# Altium PCB smallLCboard.PcbDoc (part 2 of 4)
Units mil, origin at the board's own origin, x right, y up, seen from the top; angles counter-clockwise.
Board outline 3761.03 x 3206.38 mil, 2 copper layers (Top Layer, Bottom Layer); 200 components, 0 nets, 2312 pads, 320 vias.
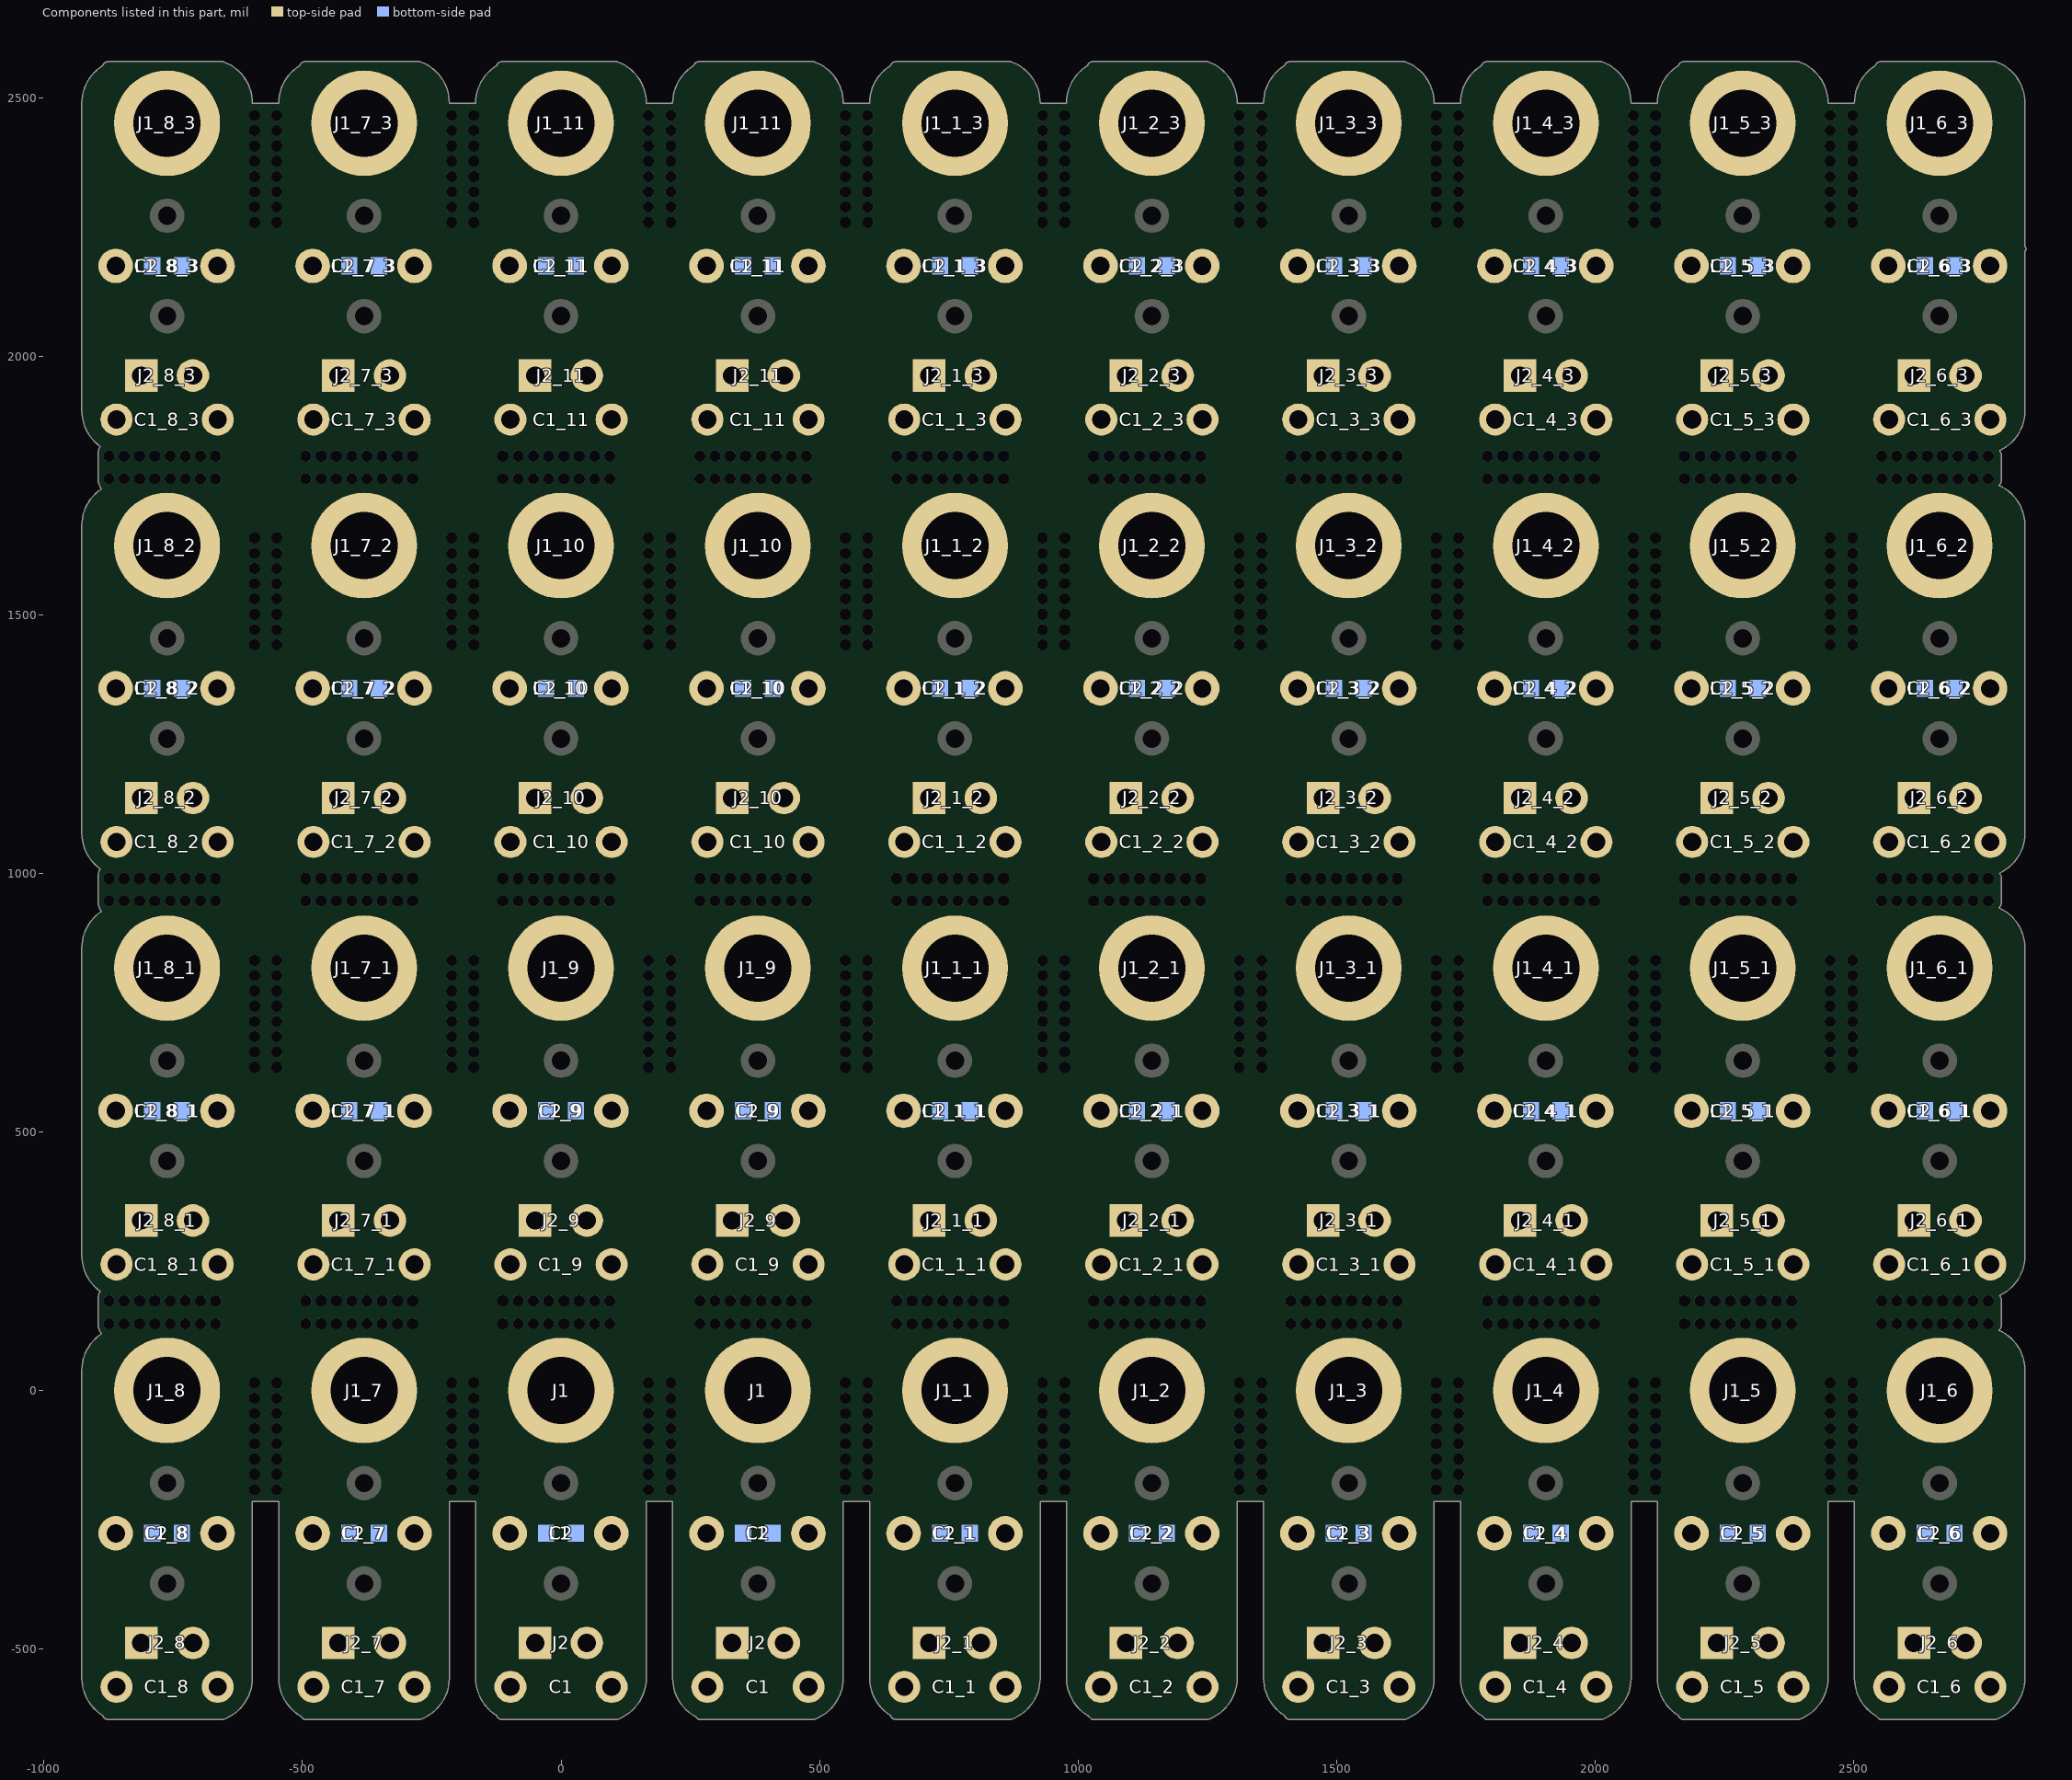
[diagram p2: the components of this part, seen from the top]

## Components (designator, comment, footprint, x,y, rotation, side; value= is the part's Value field where it differs from the comment) (continued)
L1_5_2 "10mH" Inductor_8x10 2285,1358 r0 top (schematic designator L1)
L1_5_3 "10mH" Inductor_8x10 2285,2175 r0 top (schematic designator L1)
L1_6 "10mH" Inductor_8x10 2666,-276 r0 top (schematic designator L1)
L1_6_1 "10mH" Inductor_8x10 2666,541 r0 top (schematic designator L1)
L1_6_2 "10mH" Inductor_8x10 2666,1358 r0 top (schematic designator L1)
L1_6_3 "10mH" Inductor_8x10 2666,2175 r0 top (schematic designator L1)
L1_7 "10mH" Inductor_8x10 -382,-276 r0 top (schematic designator L1)
L1_7_1 "10mH" Inductor_8x10 -382,541 r0 top (schematic designator L1)
L1_7_2 "10mH" Inductor_8x10 -382,1358 r0 top (schematic designator L1)
L1_7_3 "10mH" Inductor_8x10 -382,2175 r0 top (schematic designator L1)
L1_8 "10mH" Inductor_8x10 -763,-276 r0 top (schematic designator L1)
L1_8_1 "10mH" Inductor_8x10 -763,541 r0 top (schematic designator L1)
L1_8_2 "10mH" Inductor_8x10 -763,1358 r0 top (schematic designator L1)
L1_8_3 "10mH" Inductor_8x10 -763,2175 r0 top (schematic designator L1)
L1_9 "10mH" Inductor_8x10 -1,541 r0 top (schematic designator L1)
L1_9 "10mH" Inductor_8x10 380,541 r0 top (schematic designator L1)
L1_10 "10mH" Inductor_8x10 -1,1358 r0 top (schematic designator L1)
L1_10 "10mH" Inductor_8x10 380,1358 r0 top (schematic designator L1)
L1_11 "10mH" Inductor_8x10 -1,2175 r0 top (schematic designator L1)
L1_11 "10mH" Inductor_8x10 380,2175 r0 top (schematic designator L1)

## Footprints (in the part's own frame and the unit in brackets; to place one, negate y for a bottom-side part, rotate by r counter-clockwise, add the part's x,y. Pads: shape width x height; smd on the part's side, far side on the other; paste and mask are expansions set on the pad)
CAP3 [mil]
  round 62 hole 35: 1(-97.92,0) 2(97.92,0)
  silkscreen extent -138,-59 138,59, body extent -142,-50 142,48, height 59
CAP_0603 [mm]
  rect 0.8x0.85 smd: 1(-0.73,0) 2(0.73,0)
  silkscreen extent -1.36,-0.8 1.34,0.8, body extent -0.8,-0.4 0.8,0.4, height 0.6
"Header H 2.54X2" [mm]
  rect 1.6x1.6 hole 0.9: 1(-1.27,0)
  round 1.6 hole 0.9: 2(1.27,0)
  silkscreen extent -2.41,-1.14 2.4,1.14, body extent -2.54,-1.27 2.54,7, height 4.43
Inductor_8x10 [mm]
  round 1.7 hole 0.9: 1(-2.5,0) 2(2.5,0)
  silkscreen extent -4,-4 4,4, body extent -4.15,-4.15 4.15,4.15, height 11.2
M_KONG_springChange [mm]
  round 5.2 hole 3.3: 1(-0.051,0)

## Part data
C1 C1 C1_1 C1_1_1 C1_1_2 C1_1_3 C1_2 C1_2_1 C1_2_2 C1_2_3 C1_3 C1_3_1 C1_3_2 C1_3_3 C1_4 C1_4_1 C1_4_2 C1_4_3 C1_5 C1_5_1 C1_5_2 C1_5_3 C1_6 C1_6_1 C1_6_2 C1_6_3 C1_7 C1_7_1 C1_7_2 C1_7_3 C1_8 C1_8_1 C1_8_2 C1_8_3 C1_9 C1_9 C1_10 C1_10 C1_11 C1_11: library part CAP_聚苯电容
C2 C2 C2_1 C2_1_1 C2_1_2 C2_1_3 C2_2 C2_2_1 C2_2_2 C2_2_3 C2_3 C2_3_1 C2_3_2 C2_3_3 C2_4 C2_4_1 C2_4_2 C2_4_3 C2_5 C2_5_1 C2_5_2 C2_5_3 C2_6 C2_6_1 C2_6_2 C2_6_3 C2_7 C2_7_1 C2_7_2 C2_7_3 C2_8 C2_8_1 C2_8_2 C2_8_3 C2_9 C2_9 C2_10 C2_10 C2_11 C2_11: library part CAP_0603
J2 J2 J2_1 J2_1_1 J2_1_2 J2_1_3 J2_2 J2_2_1 J2_2_2 J2_2_3 J2_3 J2_3_1 J2_3_2 J2_3_3 J2_4 J2_4_1 J2_4_2 J2_4_3 J2_5 J2_5_1 J2_5_2 J2_5_3 J2_6 J2_6_1 J2_6_2 J2_6_3 J2_7 J2_7_1 J2_7_2 J2_7_3 J2_8 J2_8_1 J2_8_2 J2_8_3 J2_9 J2_9 J2_10 J2_10 J2_11 J2_11: library part "Header 2.54_2"
L1 L1 L1_1 L1_1_1 L1_1_2 L1_1_3 L1_2 L1_2_1 L1_2_2 L1_2_3 L1_3 L1_3_1 L1_3_2 L1_3_3 L1_4 L1_4_1 L1_4_2 L1_4_3 L1_5 L1_5_1 L1_5_2 L1_5_3 L1_6 L1_6_1 L1_6_2 L1_6_3 L1_7 L1_7_1 L1_7_2 L1_7_3 L1_8 L1_8_1 L1_8_2 L1_8_3 L1_9 L1_9 L1_10 L1_10 L1_11 L1_11: library part Inductor

## Free pads (board coordinates)
  round 66.9 hole 35.4: 2(-762,-373) 2(-762,-179) 2(-762,444) 2(-762,638) 2(-762,1261) 2(-762,1455) 2(-762,2078) 2(-762,2272) 2(-381,-373) 2(-381,-179) 2(-381,444) 2(-381,638) 2(-381,1261) 2(-381,1455) 2(-381,2078) 2(-381,2272) 2(0,-373) 2(0,-179) 2(0,444) 2(0,638) 2(0,1261) 2(0,1455) 2(0,2078) 2(0,2272) 2(381,-373) 2(381,-179) 2(381,444) 2(381,638) 2(381,1261) 2(381,1455) 2(381,2078) 2(381,2272) 2(762,-373) 2(762,-179) 2(762,444) 2(762,638) 2(762,1261) 2(762,1455) 2(762,2078) 2(762,2272) 2(1143,-373) 2(1143,-179) 2(1143,444) 2(1143,638) 2(1143,1261) 2(1143,1455) 2(1143,2078) 2(1143,2272) 2(1524,-373) 2(1524,-179) 2(1524,444) 2(1524,638) 2(1524,1261) 2(1524,1455) 2(1524,2078) 2(1524,2272) 2(1905,-373) 2(1905,-179) 2(1905,444) 2(1905,638) 2(1905,1261) 2(1905,1455) 2(1905,2078) 2(1905,2272) 2(2286,-373) 2(2286,-179) 2(2286,444) 2(2286,638) 2(2286,1261) 2(2286,1455) 2(2286,2078) 2(2286,2272) 2(2667,-373) 2(2667,-179) 2(2667,444) 2(2667,638) 2(2667,1261) 2(2667,1455) 2(2667,2078) 2(2667,2272)
  round 21.65 hole 21.65: 3(-874.5,129.5) 3(-874.5,173) 3(-874.5,174) 3(-874.5,946.5) 3(-874.5,990) 3(-874.5,991) 3(-874.5,1763.5) 3(-874.5,1807) 3(-874.5,1808) 3(-593,15) 3(-593,15) 3(-593,832) 3(-593,832) 3(-593,1649) 3(-593,1649) 3(-593,2466) 3(-593,2466) 3(-549.5,15) 3(-549.5,15) 3(-549.5,832) 3(-549.5,832) 3(-549.5,1649) 3(-549.5,1649) 3(-549.5,2466) 3(-549.5,2466) 3(-493.5,129.5) 3(-493.5,173) 3(-493.5,174) 3(-493.5,946.5) 3(-493.5,990) 3(-493.5,991) 3(-493.5,1763.5) 3(-493.5,1807) 3(-493.5,1808) 3(-212,15) 3(-212,15) 3(-212,832) 3(-212,832) 3(-212,1649) 3(-212,1649) 3(-212,2466) 3(-212,2466) 3(-168.5,15) 3(-168.5,15) 3(-168.5,832) 3(-168.5,832) 3(-168.5,1649) 3(-168.5,1649) 3(-168.5,2466) 3(-168.5,2466) 3(-112.5,129.5) 3(-112.5,173) 3(-112.5,174) 3(-112.5,946.5) 3(-112.5,990) 3(-112.5,991) 3(-112.5,1763.5) 3(-112.5,1807) 3(-112.5,1808) 3(169,15) 3(169,15) 3(169,832) 3(169,832) 3(169,1649) 3(169,1649) 3(169,2466) 3(169,2466) 3(212.5,15) 3(212.5,15) 3(212.5,832) 3(212.5,832) 3(212.5,1649) 3(212.5,1649) 3(212.5,2466) 3(212.5,2466) 3(268.5,129.5) 3(268.5,173) 3(268.5,174) 3(268.5,946.5) 3(268.5,990) 3(268.5,991) 3(268.5,1763.5) 3(268.5,1807) 3(268.5,1808) 3(550,15) 3(550,15) 3(550,832) 3(550,832) 3(550,1649) 3(550,1649) 3(550,2466) 3(550,2466) 3(593.5,15) 3(593.5,15) 3(593.5,832) 3(593.5,832) 3(593.5,1649) 3(593.5,1649) 3(593.5,2466) 3(593.5,2466) 3(649.5,129.5) 3(649.5,173) 3(649.5,174) 3(649.5,946.5) 3(649.5,990) 3(649.5,991) 3(649.5,1763.5) 3(649.5,1807) 3(649.5,1808) 3(931,15) 3(931,15) 3(931,832) 3(931,832) 3(931,1649) 3(931,1649) 3(931,2466) 3(931,2466) 3(974.5,15) 3(974.5,15) 3(974.5,832) 3(974.5,832) 3(974.5,1649) 3(974.5,1649) 3(974.5,2466) 3(974.5,2466) 3(1030.5,129.5) 3(1030.5,173) 3(1030.5,174) 3(1030.5,946.5) 3(1030.5,990) 3(1030.5,991) 3(1030.5,1763.5) 3(1030.5,1807) 3(1030.5,1808) 3(1312,15) 3(1312,15) 3(1312,832) 3(1312,832) 3(1312,1649) 3(1312,1649) 3(1312,2466) 3(1312,2466) 3(1355.5,15) 3(1355.5,15) 3(1355.5,832) 3(1355.5,832) 3(1355.5,1649) 3(1355.5,1649) 3(1355.5,2466) 3(1355.5,2466) 3(1411.5,129.5) 3(1411.5,173) 3(1411.5,174) 3(1411.5,946.5) 3(1411.5,990) 3(1411.5,991) 3(1411.5,1763.5) 3(1411.5,1807) 3(1411.5,1808) 3(1693,15) 3(1693,15) 3(1693,832) 3(1693,832) 3(1693,1649) 3(1693,1649) 3(1693,2466) 3(1693,2466) 3(1736.5,15) 3(1736.5,15) 3(1736.5,832) 3(1736.5,832) 3(1736.5,1649) 3(1736.5,1649) 3(1736.5,2466) 3(1736.5,2466) 3(1792.5,129.5) 3(1792.5,173) 3(1792.5,174) 3(1792.5,946.5) 3(1792.5,990) 3(1792.5,991) 3(1792.5,1763.5) 3(1792.5,1807) 3(1792.5,1808) 3(2074,15) 3(2074,15) 3(2074,832) 3(2074,832) 3(2074,1649) 3(2074,1649) 3(2074,2466) 3(2074,2466) 3(2117.5,15) 3(2117.5,15) 3(2117.5,832) 3(2117.5,832) 3(2117.5,1649) 3(2117.5,1649) 3(2117.5,2466) 3(2117.5,2466) 3(2173.5,129.5) 3(2173.5,173) 3(2173.5,174) 3(2173.5,946.5) 3(2173.5,990) 3(2173.5,991) 3(2173.5,1763.5) 3(2173.5,1807) 3(2173.5,1808) 3(2455,15) 3(2455,15) 3(2455,832) 3(2455,832) 3(2455,1649) 3(2455,1649) 3(2455,2466) 3(2455,2466) 3(2498.5,15) 3(2498.5,15) 3(2498.5,832) 3(2498.5,832) 3(2498.5,1649) 3(2498.5,1649) 3(2498.5,2466) 3(2498.5,2466) 3(2554.5,129.5) 3(2554.5,173) 3(2554.5,174) 3(2554.5,946.5) 3(2554.5,990) 3(2554.5,991) 3(2554.5,1763.5) 3(2554.5,1807) 3(2554.5,1808) 4(-844.97,129.5) 4(-844.97,173) 4(-844.97,174) 4(-844.97,946.5) 4(-844.97,990) 4(-844.97,991) 4(-844.97,1763.5) 4(-844.97,1807) 4(-844.97,1808) 4(-593,-14.53) 4(-593,-14.53) 4(-593,802.47) 4(-593,802.47) 4(-593,1619.47) 4(-593,1619.47) 4(-593,2436.47) 4(-593,2436.47) 4(-549.5,-14.53) 4(-549.5,-14.53) 4(-549.5,802.47) 4(-549.5,802.47) 4(-549.5,1619.47) 4(-549.5,1619.47) 4(-549.5,2436.47) 4(-549.5,2436.47) 4(-463.97,129.5) 4(-463.97,173) 4(-463.97,174) 4(-463.97,946.5) 4(-463.97,990) 4(-463.97,991) 4(-463.97,1763.5) 4(-463.97,1807) 4(-463.97,1808) 4(-212,-14.53) 4(-212,-14.53) 4(-212,802.47) 4(-212,802.47) 4(-212,1619.47) 4(-212,1619.47) 4(-212,2436.47) 4(-212,2436.47) 4(-168.5,-14.53) 4(-168.5,-14.53) 4(-168.5,802.47) 4(-168.5,802.47) 4(-168.5,1619.47) 4(-168.5,1619.47) 4(-168.5,2436.47) 4(-168.5,2436.47) 4(-82.97,129.5) 4(-82.97,173) 4(-82.97,174) 4(-82.97,946.5) 4(-82.97,990) 4(-82.97,991) 4(-82.97,1763.5) 4(-82.97,1807) 4(-82.97,1808) 4(169,-14.53) 4(169,-14.53) 4(169,802.47) 4(169,802.47) 4(169,1619.47) 4(169,1619.47) 4(169,2436.47) 4(169,2436.47) 4(212.5,-14.53) 4(212.5,-14.53) 4(212.5,802.47) 4(212.5,802.47) 4(212.5,1619.47) 4(212.5,1619.47) 4(212.5,2436.47) 4(212.5,2436.47) 4(298.03,129.5) 4(298.03,173) 4(298.03,174) 4(298.03,946.5) 4(298.03,990) 4(298.03,991) 4(298.03,1763.5) 4(298.03,1807) 4(298.03,1808) 4(550,-14.53) 4(550,-14.53) 4(550,802.47) 4(550,802.47) 4(550,1619.47) 4(550,1619.47) 4(550,2436.47) 4(550,2436.47) 4(593.5,-14.53) 4(593.5,-14.53) 4(593.5,802.47) 4(593.5,802.47) 4(593.5,1619.47) 4(593.5,1619.47) 4(593.5,2436.47) 4(593.5,2436.47) 4(679.03,129.5) 4(679.03,173) 4(679.03,174) 4(679.03,946.5) 4(679.03,990) 4(679.03,991) 4(679.03,1763.5) 4(679.03,1807) 4(679.03,1808) 4(931,-14.53) 4(931,-14.53) 4(931,802.47) 4(931,802.47) 4(931,1619.47) 4(931,1619.47) 4(931,2436.47) 4(931,2436.47) 4(974.5,-14.53) 4(974.5,-14.53) 4(974.5,802.47) 4(974.5,802.47) 4(974.5,1619.47) 4(974.5,1619.47) 4(974.5,2436.47) 4(974.5,2436.47) 4(1060.03,129.5) 4(1060.03,173) 4(1060.03,174) 4(1060.03,946.5) 4(1060.03,990) 4(1060.03,991) 4(1060.03,1763.5) 4(1060.03,1807) 4(1060.03,1808) 4(1312,-14.53) 4(1312,-14.53) 4(1312,802.47) 4(1312,802.47) 4(1312,1619.47) 4(1312,1619.47) 4(1312,2436.47) 4(1312,2436.47) 4(1355.5,-14.53) 4(1355.5,-14.53) 4(1355.5,802.47) 4(1355.5,802.47) 4(1355.5,1619.47) 4(1355.5,1619.47) 4(1355.5,2436.47) 4(1355.5,2436.47) 4(1441.03,129.5) 4(1441.03,173) 4(1441.03,174) 4(1441.03,946.5) 4(1441.03,990) 4(1441.03,991) 4(1441.03,1763.5) 4(1441.03,1807) 4(1441.03,1808) 4(1693,-14.53) 4(1693,-14.53) 4(1693,802.47) 4(1693,802.47) 4(1693,1619.47) 4(1693,1619.47) 4(1693,2436.47) 4(1693,2436.47) 4(1736.5,-14.53) 4(1736.5,-14.53) 4(1736.5,802.47) 4(1736.5,802.47) 4(1736.5,1619.47) 4(1736.5,1619.47) 4(1736.5,2436.47) 4(1736.5,2436.47) 4(1822.03,129.5) 4(1822.03,173) 4(1822.03,174) 4(1822.03,946.5) 4(1822.03,990) 4(1822.03,991) 4(1822.03,1763.5) 4(1822.03,1807) 4(1822.03,1808) 4(2074,-14.53) 4(2074,-14.53) 4(2074,802.47) 4(2074,802.47) 4(2074,1619.47) 4(2074,1619.47) 4(2074,2436.47) 4(2074,2436.47) 4(2117.5,-14.53) 4(2117.5,-14.53) 4(2117.5,802.47) 4(2117.5,802.47) 4(2117.5,1619.47) 4(2117.5,1619.47) 4(2117.5,2436.47) 4(2117.5,2436.47) 4(2203.03,129.5) 4(2203.03,173) 4(2203.03,174) 4(2203.03,946.5) 4(2203.03,990) 4(2203.03,991) 4(2203.03,1763.5) 4(2203.03,1807) 4(2203.03,1808) 4(2455,-14.53) 4(2455,-14.53) 4(2455,802.47) 4(2455,802.47) 4(2455,1619.47) 4(2455,1619.47) 4(2455,2436.47) 4(2455,2436.47) 4(2498.5,-14.53) 4(2498.5,-14.53) 4(2498.5,802.47) 4(2498.5,802.47) 4(2498.5,1619.47) 4(2498.5,1619.47) 4(2498.5,2436.47) 4(2498.5,2436.47) 4(2584.03,129.5) 4(2584.03,173) 4(2584.03,174) 4(2584.03,946.5) 4(2584.03,990) 4(2584.03,991) 4(2584.03,1763.5) 4(2584.03,1807) 4(2584.03,1808) 5(-815.44,129.5) 5(-815.44,173) 5(-815.44,174) 5(-815.44,946.5) 5(-815.44,990) 5(-815.44,991) 5(-815.44,1763.5) 5(-815.44,1807) 5(-815.44,1808) 5(-593,-44.06) 5(-593,-44.06) 5(-593,772.94) 5(-593,772.94) 5(-593,1589.94) 5(-593,1589.94) 5(-593,2406.94) 5(-593,2406.94) 5(-549.5,-44.06) 5(-549.5,-44.06) 5(-549.5,772.94) 5(-549.5,772.94) 5(-549.5,1589.94) 5(-549.5,1589.94) 5(-549.5,2406.94) 5(-549.5,2406.94) 5(-434.44,129.5) 5(-434.44,173) 5(-434.44,174) 5(-434.44,946.5) 5(-434.44,990) 5(-434.44,991) 5(-434.44,1763.5) 5(-434.44,1807) 5(-434.44,1808) 5(-212,-44.06) 5(-212,-44.06) 5(-212,772.94) 5(-212,772.94) 5(-212,1589.94) 5(-212,1589.94) 5(-212,2406.94) 5(-212,2406.94) 5(-168.5,-44.06) 5(-168.5,-44.06) 5(-168.5,772.94) 5(-168.5,772.94) 5(-168.5,1589.94) 5(-168.5,1589.94) 5(-168.5,2406.94) 5(-168.5,2406.94) 5(-53.44,129.5) 5(-53.44,173) 5(-53.44,174) 5(-53.44,946.5) 5(-53.44,990) 5(-53.44,991) 5(-53.44,1763.5) 5(-53.44,1807) 5(-53.44,1808) 5(169,-44.06) 5(169,-44.06) 5(169,772.94) 5(169,772.94) 5(169,1589.94) 5(169,1589.94) 5(169,2406.94) 5(169,2406.94) 5(212.5,-44.06) 5(212.5,-44.06) 5(212.5,772.94) 5(212.5,772.94) 5(212.5,1589.94) 5(212.5,1589.94) 5(212.5,2406.94) 5(212.5,2406.94) 5(327.56,129.5) 5(327.56,173) 5(327.56,174) 5(327.56,946.5) 5(327.56,990) 5(327.56,991) 5(327.56,1763.5) 5(327.56,1807) 5(327.56,1808) 5(550,-44.06) 5(550,-44.06) 5(550,772.94) 5(550,772.94) 5(550,1589.94) 5(550,1589.94) 5(550,2406.94) 5(550,2406.94) 5(593.5,-44.06) 5(593.5,-44.06) 5(593.5,772.94) 5(593.5,772.94) 5(593.5,1589.94) 5(593.5,1589.94) 5(593.5,2406.94) 5(593.5,2406.94) 5(708.56,129.5) 5(708.56,173) 5(708.56,174) 5(708.56,946.5) 5(708.56,990) 5(708.56,991) 5(708.56,1763.5) 5(708.56,1807) 5(708.56,1808) 5(931,-44.06) 5(931,-44.06) 5(931,772.94) 5(931,772.94) 5(931,1589.94) 5(931,1589.94) 5(931,2406.94) 5(931,2406.94) 5(974.5,-44.06) 5(974.5,-44.06) 5(974.5,772.94) 5(974.5,772.94) 5(974.5,1589.94) 5(974.5,1589.94) 5(974.5,2406.94) 5(974.5,2406.94) 5(1089.56,129.5) 5(1089.56,173) 5(1089.56,174) 5(1089.56,946.5) 5(1089.56,990) 5(1089.56,991) 5(1089.56,1763.5) 5(1089.56,1807) 5(1089.56,1808) 5(1312,-44.06) 5(1312,-44.06) 5(1312,772.94) 5(1312,772.94) 5(1312,1589.94) 5(1312,1589.94) 5(1312,2406.94) 5(1312,2406.94) 5(1355.5,-44.06) 5(1355.5,-44.06) 5(1355.5,772.94) 5(1355.5,772.94) 5(1355.5,1589.94) 5(1355.5,1589.94) 5(1355.5,2406.94) 5(1355.5,2406.94) 5(1470.56,129.5) 5(1470.56,173) 5(1470.56,174) 5(1470.56,946.5) 5(1470.56,990) 5(1470.56,991) 5(1470.56,1763.5) 5(1470.56,1807) 5(1470.56,1808) 5(1693,-44.06) 5(1693,-44.06) 5(1693,772.94) 5(1693,772.94) 5(1693,1589.94) 5(1693,1589.94) 5(1693,2406.94) 5(1693,2406.94) 5(1736.5,-44.06) 5(1736.5,-44.06) 5(1736.5,772.94) 5(1736.5,772.94) 5(1736.5,1589.94) 5(1736.5,1589.94) 5(1736.5,2406.94) 5(1736.5,2406.94) 5(1851.56,129.5) 5(1851.56,173) 5(1851.56,174) 5(1851.56,946.5) 5(1851.56,990) 5(1851.56,991) 5(1851.56,1763.5) 5(1851.56,1807) 5(1851.56,1808) 5(2074,-44.06) 5(2074,-44.06) 5(2074,772.94) 5(2074,772.94) 5(2074,1589.94) 5(2074,1589.94) 5(2074,2406.94) 5(2074,2406.94) 5(2117.5,-44.06) 5(2117.5,-44.06) 5(2117.5,772.94) 5(2117.5,772.94) 5(2117.5,1589.94) 5(2117.5,1589.94) 5(2117.5,2406.94) 5(2117.5,2406.94) 5(2232.56,129.5) 5(2232.56,173) 5(2232.56,174) 5(2232.56,946.5) 5(2232.56,990) 5(2232.56,991) 5(2232.56,1763.5) 5(2232.56,1807) 5(2232.56,1808) 5(2455,-44.06) 5(2455,-44.06) 5(2455,772.94) 5(2455,772.94) 5(2455,1589.94) 5(2455,1589.94) 5(2455,2406.94) 5(2455,2406.94) 5(2498.5,-44.06) 5(2498.5,-44.06) 5(2498.5,772.94) 5(2498.5,772.94) 5(2498.5,1589.94) 5(2498.5,1589.94) 5(2498.5,2406.94) 5(2498.5,2406.94) 5(2613.56,129.5) 5(2613.56,173) 5(2613.56,174) 5(2613.56,946.5) 5(2613.56,990) 5(2613.56,991) 5(2613.56,1763.5) 5(2613.56,1807) 5(2613.56,1808) 6(-785.92,129.5) 6(-785.92,173) 6(-785.92,174) 6(-785.92,946.5) 6(-785.92,990) 6(-785.92,991) 6(-785.92,1763.5) 6(-785.92,1807) 6(-785.92,1808) 6(-593,-73.58) 6(-593,-73.58) 6(-593,743.42) 6(-593,743.42) 6(-593,1560.42) 6(-593,1560.42) 6(-593,2377.42) 6(-593,2377.42) 6(-549.5,-73.58) 6(-549.5,-73.58) 6(-549.5,743.42) 6(-549.5,743.42) 6(-549.5,1560.42) 6(-549.5,1560.42) 6(-549.5,2377.42) 6(-549.5,2377.42) 6(-404.92,129.5) 6(-404.92,173) 6(-404.92,174) 6(-404.92,946.5) 6(-404.92,990) 6(-404.92,991) 6(-404.92,1763.5) 6(-404.92,1807) 6(-404.92,1808) 6(-212,-73.58) 6(-212,-73.58) 6(-212,743.42) 6(-212,743.42) 6(-212,1560.42) 6(-212,1560.42) 6(-212,2377.42) 6(-212,2377.42) 6(-168.5,-73.58) 6(-168.5,-73.58) 6(-168.5,743.42) 6(-168.5,743.42) 6(-168.5,1560.42) 6(-168.5,1560.42) 6(-168.5,2377.42) 6(-168.5,2377.42) 6(-23.92,129.5) 6(-23.92,173) 6(-23.92,174) 6(-23.92,946.5) 6(-23.92,990) 6(-23.92,991) 6(-23.92,1763.5) 6(-23.92,1807) 6(-23.92,1808) 6(169,-73.58) 6(169,-73.58) 6(169,743.42) 6(169,743.42) 6(169,1560.42) 6(169,1560.42) 6(169,2377.42) 6(169,2377.42) 6(212.5,-73.58) 6(212.5,-73.58) 6(212.5,743.42) 6(212.5,743.42) 6(212.5,1560.42) 6(212.5,1560.42) 6(212.5,2377.42) 6(212.5,2377.42) 6(357.08,129.5) 6(357.08,173) 6(357.08,174) 6(357.08,946.5) 6(357.08,990) 6(357.08,991) 6(357.08,1763.5) 6(357.08,1807) 6(357.08,1808) 6(550,-73.58) 6(550,-73.58) 6(550,743.42) 6(550,743.42) 6(550,1560.42) 6(550,1560.42) 6(550,2377.42) 6(550,2377.42) 6(593.5,-73.58) 6(593.5,-73.58) 6(593.5,743.42) 6(593.5,743.42) 6(593.5,1560.42) 6(593.5,1560.42) 6(593.5,2377.42) 6(593.5,2377.42) 6(738.08,129.5) 6(738.08,173) 6(738.08,174) 6(738.08,946.5) 6(738.08,990) 6(738.08,991) 6(738.08,1763.5) 6(738.08,1807) 6(738.08,1808) 6(931,-73.58) 6(931,-73.58) 6(931,743.42) 6(931,743.42) 6(931,1560.42) 6(931,1560.42) 6(931,2377.42) 6(931,2377.42) 6(974.5,-73.58) 6(974.5,-73.58) 6(974.5,743.42) 6(974.5,743.42) 6(974.5,1560.42) 6(974.5,1560.42) 6(974.5,2377.42) 6(974.5,2377.42) 6(1119.08,129.5) 6(1119.08,173) 6(1119.08,174) 6(1119.08,946.5) 6(1119.08,990) 6(1119.08,991) 6(1119.08,1763.5) 6(1119.08,1807) 6(1119.08,1808) 6(1312,-73.58) 6(1312,-73.58) 6(1312,743.42) 6(1312,743.42) 6(1312,1560.42) 6(1312,1560.42) 6(1312,2377.42) 6(1312,2377.42) 6(1355.5,-73.58) 6(1355.5,-73.58) 6(1355.5,743.42) 6(1355.5,743.42) 6(1355.5,1560.42) 6(1355.5,1560.42) 6(1355.5,2377.42) 6(1355.5,2377.42) 6(1500.08,129.5) 6(1500.08,173) 6(1500.08,174) 6(1500.08,946.5) 6(1500.08,990) 6(1500.08,991) 6(1500.08,1763.5) 6(1500.08,1807) 6(1500.08,1808) 6(1693,-73.58) 6(1693,-73.58) 6(1693,743.42) 6(1693,743.42) 6(1693,1560.42) 6(1693,1560.42) 6(1693,2377.42) 6(1693,2377.42) 6(1736.5,-73.58) 6(1736.5,-73.58) 6(1736.5,743.42) 6(1736.5,743.42) 6(1736.5,1560.42) 6(1736.5,1560.42) 6(1736.5,2377.42) 6(1736.5,2377.42) 6(1881.08,129.5) 6(1881.08,173) 6(1881.08,174) 6(1881.08,946.5) 6(1881.08,990) 6(1881.08,991) 6(1881.08,1763.5) 6(1881.08,1807) 6(1881.08,1808) 6(2074,-73.58) 6(2074,-73.58) 6(2074,743.42) 6(2074,743.42) 6(2074,1560.42) 6(2074,1560.42) 6(2074,2377.42) 6(2074,2377.42) 6(2117.5,-73.58) 6(2117.5,-73.58) 6(2117.5,743.42) 6(2117.5,743.42) 6(2117.5,1560.42) 6(2117.5,1560.42) 6(2117.5,2377.42) 6(2117.5,2377.42) 6(2262.08,129.5) 6(2262.08,173) 6(2262.08,174) 6(2262.08,946.5) 6(2262.08,990) 6(2262.08,991) 6(2262.08,1763.5) 6(2262.08,1807) 6(2262.08,1808) 6(2455,-73.58) 6(2455,-73.58) 6(2455,743.42) 6(2455,743.42) 6(2455,1560.42) 6(2455,1560.42) 6(2455,2377.42) 6(2455,2377.42) 6(2498.5,-73.58) 6(2498.5,-73.58) 6(2498.5,743.42) 6(2498.5,743.42) 6(2498.5,1560.42) 6(2498.5,1560.42) 6(2498.5,2377.42) 6(2498.5,2377.42) 6(2643.08,129.5) 6(2643.08,173) 6(2643.08,174) 6(2643.08,946.5) 6(2643.08,990) 6(2643.08,991) 6(2643.08,1763.5) 6(2643.08,1807) 6(2643.08,1808) 7(-756.39,129.5) 7(-756.39,173) 7(-756.39,174) 7(-756.39,946.5) 7(-756.39,990) 7(-756.39,991) 7(-756.39,1763.5) 7(-756.39,1807) 7(-756.39,1808) 7(-593,-103.11) 7(-593,-103.11) 7(-593,713.89) 7(-593,713.89) 7(-593,1530.89) 7(-593,1530.89) 7(-593,2347.89) 7(-593,2347.89) 7(-549.5,-103.11) 7(-549.5,-103.11) 7(-549.5,713.89) 7(-549.5,713.89) 7(-549.5,1530.89) 7(-549.5,1530.89) 7(-549.5,2347.89) 7(-549.5,2347.89) 7(-375.39,129.5) 7(-375.39,173) 7(-375.39,174) 7(-375.39,946.5) 7(-375.39,990) 7(-375.39,991) 7(-375.39,1763.5) 7(-375.39,1807) 7(-375.39,1808) 7(-212,-103.11) 7(-212,-103.11) 7(-212,713.89) 7(-212,713.89) 7(-212,1530.89) 7(-212,1530.89) 7(-212,2347.89) 7(-212,2347.89) 7(-168.5,-103.11) 7(-168.5,-103.11) 7(-168.5,713.89) 7(-168.5,713.89) 7(-168.5,1530.89) 7(-168.5,1530.89) 7(-168.5,2347.89) 7(-168.5,2347.89) 7(5.61,129.5) 7(5.61,173) 7(5.61,174) 7(5.61,946.5) 7(5.61,990) 7(5.61,991) 7(5.61,1763.5) 7(5.61,1807) 7(5.61,1808) 7(169,-103.11) 7(169,-103.11) 7(169,713.89) 7(169,713.89) 7(169,1530.89) 7(169,1530.89) 7(169,2347.89) 7(169,2347.89) 7(212.5,-103.11) 7(212.5,-103.11) 7(212.5,713.89) 7(212.5,713.89) 7(212.5,1530.89) 7(212.5,1530.89) 7(212.5,2347.89) 7(212.5,2347.89) 7(386.61,129.5) 7(386.61,173) 7(386.61,174) 7(386.61,946.5) 7(386.61,990) 7(386.61,991) 7(386.61,1763.5) 7(386.61,1807) 7(386.61,1808) 7(550,-103.11) 7(550,-103.11) 7(550,713.89) 7(550,713.89) 7(550,1530.89) 7(550,1530.89) 7(550,2347.89) 7(550,2347.89) 7(593.5,-103.11) 7(593.5,-103.11) 7(593.5,713.89) 7(593.5,713.89) 7(593.5,1530.89) 7(593.5,1530.89) 7(593.5,2347.89) 7(593.5,2347.89) 7(767.61,129.5) 7(767.61,173) 7(767.61,174) 7(767.61,946.5) 7(767.61,990) 7(767.61,991) 7(767.61,1763.5) 7(767.61,1807) 7(767.61,1808) 7(931,-103.11) 7(931,-103.11) 7(931,713.89) 7(931,713.89) 7(931,1530.89) 7(931,1530.89) 7(931,2347.89) 7(931,2347.89) 7(974.5,-103.11) 7(974.5,-103.11) 7(974.5,713.89) 7(974.5,713.89) 7(974.5,1530.89) 7(974.5,1530.89) 7(974.5,2347.89) 7(974.5,2347.89) 7(1148.61,129.5) 7(1148.61,173) 7(1148.61,174) 7(1148.61,946.5) 7(1148.61,990) 7(1148.61,991) 7(1148.61,1763.5) 7(1148.61,1807) 7(1148.61,1808) 7(1312,-103.11) 7(1312,-103.11) 7(1312,713.89) 7(1312,713.89) 7(1312,1530.89) 7(1312,1530.89) 7(1312,2347.89) 7(1312,2347.89) 7(1355.5,-103.11) 7(1355.5,-103.11) 7(1355.5,713.89) 7(1355.5,713.89) 7(1355.5,1530.89) 7(1355.5,1530.89) 7(1355.5,2347.89) 7(1355.5,2347.89) 7(1529.61,129.5) 7(1529.61,173) 7(1529.61,174) 7(1529.61,946.5) 7(1529.61,990) 7(1529.61,991) 7(1529.61,1763.5) 7(1529.61,1807) 7(1529.61,1808) 7(1693,-103.11) 7(1693,-103.11) 7(1693,713.89) 7(1693,713.89) 7(1693,1530.89) 7(1693,1530.89) 7(1693,2347.89) 7(1693,2347.89) 7(1736.5,-103.11) 7(1736.5,-103.11) 7(1736.5,713.89) 7(1736.5,713.89) 7(1736.5,1530.89) 7(1736.5,1530.89) 7(1736.5,2347.89) 7(1736.5,2347.89) 7(1910.61,129.5) 7(1910.61,173) 7(1910.61,174) 7(1910.61,946.5) 7(1910.61,990) 7(1910.61,991) 7(1910.61,1763.5) 7(1910.61,1807) 7(1910.61,1808) 7(2074,-103.11) 7(2074,-103.11) 7(2074,713.89) 7(2074,713.89) 7(2074,1530.89) 7(2074,1530.89) 7(2074,2347.89) 7(2074,2347.89) 7(2117.5,-103.11) 7(2117.5,-103.11) 7(2117.5,713.89) 7(2117.5,713.89) 7(2117.5,1530.89) 7(2117.5,1530.89) 7(2117.5,2347.89) 7(2117.5,2347.89) 7(2291.61,129.5) 7(2291.61,173) 7(2291.61,174) 7(2291.61,946.5) 7(2291.61,990) 7(2291.61,991) 7(2291.61,1763.5) 7(2291.61,1807) 7(2291.61,1808) 7(2455,-103.11) 7(2455,-103.11) 7(2455,713.89) 7(2455,713.89) 7(2455,1530.89) 7(2455,1530.89) 7(2455,2347.89) 7(2455,2347.89) 7(2498.5,-103.11) 7(2498.5,-103.11) 7(2498.5,713.89) 7(2498.5,713.89) 7(2498.5,1530.89) 7(2498.5,1530.89) 7(2498.5,2347.89) 7(2498.5,2347.89) 7(2672.61,129.5) 7(2672.61,173) 7(2672.61,174) 7(2672.61,946.5) 7(2672.61,990) 7(2672.61,991) 7(2672.61,1763.5) 7(2672.61,1807) 7(2672.61,1808) 8(-726.86,129.5) 8(-726.86,173) 8(-726.86,174) 8(-726.86,946.5) 8(-726.86,990) 8(-726.86,991) 8(-726.86,1763.5) 8(-726.86,1807) 8(-726.86,1808) 8(-593,-132.64) 8(-593,-132.64) 8(-593,684.36) 8(-593,684.36) 8(-593,1501.36) 8(-593,1501.36) 8(-593,2318.36) 8(-593,2318.36) 8(-549.5,-132.64) 8(-549.5,-132.64) 8(-549.5,684.36) 8(-549.5,684.36) 8(-549.5,1501.36) 8(-549.5,1501.36) 8(-549.5,2318.36) 8(-549.5,2318.36) 8(-345.86,129.5) 8(-345.86,173) 8(-345.86,174) 8(-345.86,946.5) 8(-345.86,990) 8(-345.86,991) 8(-345.86,1763.5) 8(-345.86,1807) 8(-345.86,1808) 8(-212,-132.64) 8(-212,-132.64) 8(-212,684.36) 8(-212,684.36) 8(-212,1501.36) 8(-212,1501.36) 8(-212,2318.36) 8(-212,2318.36) 8(-168.5,-132.64) 8(-168.5,-132.64) 8(-168.5,684.36) 8(-168.5,684.36) 8(-168.5,1501.36) 8(-168.5,1501.36) 8(-168.5,2318.36) 8(-168.5,2318.36) 8(35.14,129.5) 8(35.14,173) 8(35.14,174) 8(35.14,946.5) 8(35.14,990) 8(35.14,991) 8(35.14,1763.5) 8(35.14,1807) 8(35.14,1808) 8(169,-132.64) 8(169,-132.64) 8(169,684.36) 8(169,684.36) 8(169,1501.36) 8(169,1501.36) 8(169,2318.36) 8(169,2318.36) 8(212.5,-132.64) 8(212.5,-132.64) 8(212.5,684.36) 8(212.5,684.36) 8(212.5,1501.36) 8(212.5,1501.36) 8(212.5,2318.36) 8(212.5,2318.36) 8(416.14,129.5) 8(416.14,173) 8(416.14,174) 8(416.14,946.5) 8(416.14,990) 8(416.14,991) 8(416.14,1763.5) 8(416.14,1807) 8(416.14,1808) 8(550,-132.64) 8(550,-132.64) 8(550,684.36) 8(550,684.36) 8(550,1501.36) 8(550,1501.36) 8(550,2318.36) 8(550,2318.36) 8(593.5,-132.64) 8(593.5,-132.64) 8(593.5,684.36) 8(593.5,684.36) 8(593.5,1501.36) 8(593.5,1501.36) 8(593.5,2318.36) 8(593.5,2318.36) 8(797.14,129.5) 8(797.14,173) 8(797.14,174) 8(797.14,946.5) 8(797.14,990) 8(797.14,991) 8(797.14,1763.5) 8(797.14,1807) 8(797.14,1808) 8(931,-132.64) 8(931,-132.64) 8(931,684.36) 8(931,684.36) 8(931,1501.36) 8(931,1501.36) 8(931,2318.36) 8(931,2318.36) 8(974.5,-132.64) 8(974.5,-132.64) 8(974.5,684.36) 8(974.5,684.36) 8(974.5,1501.36) 8(974.5,1501.36) 8(974.5,2318.36) 8(974.5,2318.36) 8(1178.14,129.5) 8(1178.14,173) 8(1178.14,174) 8(1178.14,946.5) 8(1178.14,990) 8(1178.14,991) 8(1178.14,1763.5) 8(1178.14,1807) 8(1178.14,1808) 8(1312,-132.64) 8(1312,-132.64) 8(1312,684.36) 8(1312,684.36) 8(1312,1501.36) 8(1312,1501.36) 8(1312,2318.36) 8(1312,2318.36) 8(1355.5,-132.64) 8(1355.5,-132.64) 8(1355.5,684.36) 8(1355.5,684.36) 8(1355.5,1501.36) 8(1355.5,1501.36) 8(1355.5,2318.36) 8(1355.5,2318.36) 8(1559.14,129.5) 8(1559.14,173) 8(1559.14,174) 8(1559.14,946.5) 8(1559.14,990) 8(1559.14,991) 8(1559.14,1763.5) 8(1559.14,1807) 8(1559.14,1808) 8(1693,-132.64) 8(1693,-132.64) 8(1693,684.36) 8(1693,684.36) 8(1693,1501.36) 8(1693,1501.36) 8(1693,2318.36) 8(1693,2318.36) 8(1736.5,-132.64) 8(1736.5,-132.64) 8(1736.5,684.36) 8(1736.5,684.36) 8(1736.5,1501.36) 8(1736.5,1501.36) 8(1736.5,2318.36) 8(1736.5,2318.36) 8(1940.14,129.5) 8(1940.14,173) 8(1940.14,174) 8(1940.14,946.5) 8(1940.14,990) 8(1940.14,991) 8(1940.14,1763.5) 8(1940.14,1807) 8(1940.14,1808) 8(2074,-132.64) 8(2074,-132.64) 8(2074,684.36) 8(2074,684.36) 8(2074,1501.36) 8(2074,1501.36) 8(2074,2318.36) 8(2074,2318.36) 8(2117.5,-132.64) 8(2117.5,-132.64) 8(2117.5,684.36) 8(2117.5,684.36) 8(2117.5,1501.36) 8(2117.5,1501.36) 8(2117.5,2318.36) 8(2117.5,2318.36) 8(2321.14,129.5) 8(2321.14,173) 8(2321.14,174) 8(2321.14,946.5) 8(2321.14,990) 8(2321.14,991) 8(2321.14,1763.5) 8(2321.14,1807) 8(2321.14,1808) 8(2455,-132.64) 8(2455,-132.64) 8(2455,684.36) 8(2455,684.36) 8(2455,1501.36) 8(2455,1501.36) 8(2455,2318.36) 8(2455,2318.36) 8(2498.5,-132.64) 8(2498.5,-132.64) 8(2498.5,684.36) 8(2498.5,684.36) 8(2498.5,1501.36) 8(2498.5,1501.36) 8(2498.5,2318.36) 8(2498.5,2318.36) 8(2702.14,129.5) 8(2702.14,173) 8(2702.14,174) 8(2702.14,946.5) 8(2702.14,990) 8(2702.14,991) 8(2702.14,1763.5) 8(2702.14,1807) 8(2702.14,1808) 9(-697.33,129.5) 9(-697.33,173) 9(-697.33,174) 9(-697.33,946.5) 9(-697.33,990) 9(-697.33,991) 9(-697.33,1763.5) 9(-697.33,1807) 9(-697.33,1808) 9(-593,-162.17) 9(-593,-162.17) 9(-593,654.83) 9(-593,654.83) 9(-593,1471.83) 9(-593,1471.83) 9(-593,2288.83) 9(-593,2288.83) 9(-549.5,-162.17) 9(-549.5,-162.17) 9(-549.5,654.83) 9(-549.5,654.83) 9(-549.5,1471.83) 9(-549.5,1471.83) 9(-549.5,2288.83) 9(-549.5,2288.83) 9(-316.33,129.5) 9(-316.33,173) 9(-316.33,174) 9(-316.33,946.5) 9(-316.33,990) 9(-316.33,991) 9(-316.33,1763.5) 9(-316.33,1807) 9(-316.33,1808) 9(-212,-162.17) 9(-212,-162.17) 9(-212,654.83) 9(-212,654.83) 9(-212,1471.83) 9(-212,1471.83) 9(-212,2288.83) 9(-212,2288.83) 9(-168.5,-162.17) 9(-168.5,-162.17) 9(-168.5,654.83) 9(-168.5,654.83) 9(-168.5,1471.83) 9(-168.5,1471.83) 9(-168.5,2288.83) 9(-168.5,2288.83) 9(64.67,129.5) 9(64.67,173) 9(64.67,174) 9(64.67,946.5) 9(64.67,990) 9(64.67,991) 9(64.67,1763.5) 9(64.67,1807) 9(64.67,1808) 9(169,-162.17) 9(169,-162.17) 9(169,654.83) 9(169,654.83) 9(169,1471.83) 9(169,1471.83) 9(169,2288.83) 9(169,2288.83) 9(212.5,-162.17) 9(212.5,-162.17) 9(212.5,654.83) 9(212.5,654.83) 9(212.5,1471.83) 9(212.5,1471.83) 9(212.5,2288.83) 9(212.5,2288.83) 9(445.67,129.5) 9(445.67,173) 9(445.67,174) 9(445.67,946.5) 9(445.67,990) 9(445.67,991) 9(445.67,1763.5) 9(445.67,1807) 9(445.67,1808) 9(550,-162.17) 9(550,-162.17) 9(550,654.83) 9(550,654.83) 9(550,1471.83) 9(550,1471.83) 9(550,2288.83) 9(550,2288.83) 9(593.5,-162.17) 9(593.5,-162.17) 9(593.5,654.83) 9(593.5,654.83) 9(593.5,1471.83) 9(593.5,1471.83) 9(593.5,2288.83) 9(593.5,2288.83) 9(826.67,129.5) 9(826.67,173) 9(826.67,174) 9(826.67,946.5) 9(826.67,990) 9(826.67,991) 9(826.67,1763.5) 9(826.67,1807) 9(826.67,1808) 9(931,-162.17) 9(931,-162.17) 9(931,654.83) 9(931,654.83) 9(931,1471.83) 9(931,1471.83) 9(931,2288.83) 9(931,2288.83) 9(974.5,-162.17) 9(974.5,-162.17) 9(974.5,654.83) 9(974.5,654.83) 9(974.5,1471.83) 9(974.5,1471.83) 9(974.5,2288.83) 9(974.5,2288.83) 9(1207.67,129.5) 9(1207.67,173) 9(1207.67,174) 9(1207.67,946.5) 9(1207.67,990) 9(1207.67,991) 9(1207.67,1763.5) 9(1207.67,1807) 9(1207.67,1808) 9(1312,-162.17) 9(1312,-162.17) 9(1312,654.83) 9(1312,654.83) 9(1312,1471.83) 9(1312,1471.83) 9(1312,2288.83) 9(1312,2288.83) 9(1355.5,-162.17) 9(1355.5,-162.17) 9(1355.5,654.83) 9(1355.5,654.83) 9(1355.5,1471.83) 9(1355.5,1471.83) 9(1355.5,2288.83) 9(1355.5,2288.83) 9(1588.67,129.5) 9(1588.67,173) 9(1588.67,174) 9(1588.67,946.5) 9(1588.67,990) 9(1588.67,991) 9(1588.67,1763.5) 9(1588.67,1807) 9(1588.67,1808) 9(1693,-162.17) 9(1693,-162.17) 9(1693,654.83) 9(1693,654.83) 9(1693,1471.83) 9(1693,1471.83) 9(1693,2288.83) 9(1693,2288.83) 9(1736.5,-162.17) 9(1736.5,-162.17) 9(1736.5,654.83) 9(1736.5,654.83) 9(1736.5,1471.83) 9(1736.5,1471.83) 9(1736.5,2288.83) 9(1736.5,2288.83) 9(1969.67,129.5) 9(1969.67,173) 9(1969.67,174) 9(1969.67,946.5) 9(1969.67,990) 9(1969.67,991) 9(1969.67,1763.5) 9(1969.67,1807) 9(1969.67,1808) 9(2074,-162.17) 9(2074,-162.17) 9(2074,654.83) 9(2074,654.83) 9(2074,1471.83) 9(2074,1471.83) 9(2074,2288.83) 9(2074,2288.83) 9(2117.5,-162.17) 9(2117.5,-162.17) 9(2117.5,654.83) 9(2117.5,654.83) 9(2117.5,1471.83) 9(2117.5,1471.83) 9(2117.5,2288.83) 9(2117.5,2288.83) 9(2350.67,129.5) 9(2350.67,173) 9(2350.67,174) 9(2350.67,946.5) 9(2350.67,990) 9(2350.67,991) 9(2350.67,1763.5) 9(2350.67,1807) 9(2350.67,1808) 9(2455,-162.17) 9(2455,-162.17) 9(2455,654.83) 9(2455,654.83) 9(2455,1471.83) 9(2455,1471.83) 9(2455,2288.83) 9(2455,2288.83) 9(2498.5,-162.17) 9(2498.5,-162.17) 9(2498.5,654.83) 9(2498.5,654.83) 9(2498.5,1471.83) 9(2498.5,1471.83) 9(2498.5,2288.83) 9(2498.5,2288.83) 9(2731.67,129.5) 9(2731.67,173) 9(2731.67,174) 9(2731.67,946.5) 9(2731.67,990) 9(2731.67,991) 9(2731.67,1763.5) 9(2731.67,1807) 9(2731.67,1808) 10(-667.81,129.5) 10(-667.81,173) 10(-667.81,174) 10(-667.81,946.5) 10(-667.81,990) 10(-667.81,991) 10(-667.81,1763.5) 10(-667.81,1807) 10(-667.81,1808) 10(-593,-191.69) 10(-593,-191.69) 10(-593,625.31) 10(-593,625.31) 10(-593,1442.31) 10(-593,1442.31) 10(-593,2259.31) 10(-593,2259.31) 10(-549.5,-191.69) 10(-549.5,-191.69) 10(-549.5,625.31) 10(-549.5,625.31) 10(-549.5,1442.31) 10(-549.5,1442.31) 10(-549.5,2259.31) 10(-549.5,2259.31) 10(-286.81,129.5) 10(-286.81,173) 10(-286.81,174) 10(-286.81,946.5) 10(-286.81,990) 10(-286.81,991) 10(-286.81,1763.5) 10(-286.81,1807) 10(-286.81,1808) 10(-212,-191.69) 10(-212,-191.69) 10(-212,625.31) 10(-212,625.31) 10(-212,1442.31) 10(-212,1442.31) 10(-212,2259.31) 10(-212,2259.31) 10(-168.5,-191.69) 10(-168.5,-191.69) 10(-168.5,625.31) 10(-168.5,625.31) 10(-168.5,1442.31) 10(-168.5,1442.31) 10(-168.5,2259.31) 10(-168.5,2259.31) 10(94.19,129.5) 10(94.19,173) 10(94.19,174) 10(94.19,946.5) 10(94.19,990) 10(94.19,991) 10(94.19,1763.5) 10(94.19,1807) 10(94.19,1808) 10(169,-191.69) 10(169,-191.69) 10(169,625.31) 10(169,625.31) 10(169,1442.31) 10(169,1442.31) 10(169,2259.31) 10(169,2259.31) 10(212.5,-191.69) 10(212.5,-191.69) 10(212.5,625.31) 10(212.5,625.31) 10(212.5,1442.31) 10(212.5,1442.31) 10(212.5,2259.31) 10(212.5,2259.31) 10(475.19,129.5) 10(475.19,173) 10(475.19,174) 10(475.19,946.5) 10(475.19,990) 10(475.19,991) 10(475.19,1763.5) 10(475.19,1807) 10(475.19,1808) 10(550,-191.69) 10(550,-191.69) 10(550,625.31) 10(550,625.31) 10(550,1442.31) 10(550,1442.31) 10(550,2259.31) 10(550,2259.31) 10(593.5,-191.69) 10(593.5,-191.69) 10(593.5,625.31) 10(593.5,625.31) 10(593.5,1442.31) 10(593.5,1442.31) 10(593.5,2259.31) 10(593.5,2259.31) 10(856.19,129.5) 10(856.19,173) 10(856.19,174) 10(856.19,946.5) 10(856.19,990) 10(856.19,991) 10(856.19,1763.5) 10(856.19,1807) 10(856.19,1808) 10(931,-191.69) 10(931,-191.69) 10(931,625.31) 10(931,625.31) 10(931,1442.31) 10(931,1442.31) 10(931,2259.31) 10(931,2259.31) 10(974.5,-191.69) 10(974.5,-191.69) 10(974.5,625.31) 10(974.5,625.31) 10(974.5,1442.31) 10(974.5,1442.31) 10(974.5,2259.31) 10(974.5,2259.31) 10(1237.19,129.5) 10(1237.19,173) 10(1237.19,174) 10(1237.19,946.5) 10(1237.19,990) 10(1237.19,991) 10(1237.19,1763.5) 10(1237.19,1807) 10(1237.19,1808) 10(1312,-191.69) 10(1312,-191.69) 10(1312,625.31) 10(1312,625.31) 10(1312,1442.31) 10(1312,1442.31) 10(1312,2259.31) 10(1312,2259.31) 10(1355.5,-191.69) 10(1355.5,-191.69) 10(1355.5,625.31) 10(1355.5,625.31) 10(1355.5,1442.31) 10(1355.5,1442.31) 10(1355.5,2259.31) 10(1355.5,2259.31) 10(1618.19,129.5) 10(1618.19,173) 10(1618.19,174) 10(1618.19,946.5) 10(1618.19,990) 10(1618.19,991) 10(1618.19,1763.5) 10(1618.19,1807) 10(1618.19,1808) 10(1693,-191.69) 10(1693,-191.69) 10(1693,625.31) 10(1693,625.31) 10(1693,1442.31) 10(1693,1442.31) 10(1693,2259.31) 10(1693,2259.31) 10(1736.5,-191.69) 10(1736.5,-191.69) 10(1736.5,625.31) 10(1736.5,625.31) 10(1736.5,1442.31) 10(1736.5,1442.31) 10(1736.5,2259.31) 10(1736.5,2259.31) 10(1999.19,129.5) 10(1999.19,173) 10(1999.19,174) 10(1999.19,946.5) 10(1999.19,990) 10(1999.19,991) 10(1999.19,1763.5) 10(1999.19,1807) 10(1999.19,1808) 10(2074,-191.69) 10(2074,-191.69) 10(2074,625.31) 10(2074,625.31) 10(2074,1442.31) 10(2074,1442.31) 10(2074,2259.31) 10(2074,2259.31) 10(2117.5,-191.69) 10(2117.5,-191.69) 10(2117.5,625.31) 10(2117.5,625.31) 10(2117.5,1442.31) 10(2117.5,1442.31) 10(2117.5,2259.31) 10(2117.5,2259.31) 10(2380.19,129.5) 10(2380.19,173) 10(2380.19,174) 10(2380.19,946.5) 10(2380.19,990) 10(2380.19,991) 10(2380.19,1763.5) 10(2380.19,1807) 10(2380.19,1808) 10(2455,-191.69) 10(2455,-191.69) 10(2455,625.31) 10(2455,625.31) 10(2455,1442.31) 10(2455,1442.31) 10(2455,2259.31) 10(2455,2259.31) 10(2498.5,-191.69) 10(2498.5,-191.69) 10(2498.5,625.31) 10(2498.5,625.31) 10(2498.5,1442.31) 10(2498.5,1442.31) 10(2498.5,2259.31) 10(2498.5,2259.31) 10(2761.19,129.5) 10(2761.19,173) 10(2761.19,174) 10(2761.19,946.5) 10(2761.19,990) 10(2761.19,991) 10(2761.19,1763.5) 10(2761.19,1807) 10(2761.19,1808)

## Via types
v1: diameter 30, hole 15, Top Layer to Bottom Layer, 320 vias

## Nets (pads, with @x,y where several pads share a name; then routed paths per layer and width w, separated by ;. In a path a pad name is that pad's centre, name@x,y a point inside that pad or via, vN(x,y) a via of type N, cw(c..) or ccw(c..) an arc to the next point about the centre after c; other vN are vias at no path point)
pads on no net: C1.1 C1.2 C1_1.1 C1_1.2 C1_1_1.1 C1_1_1.2 C1_1_2.1 C1_1_2.2 C1_1_3.1 C1_1_3.2 C1_2.1 C1_2.2 C1_2_1.1 C1_2_1.2 C1_2_2.1 C1_2_2.2 C1_2_3.1 C1_2_3.2 C1_3.1 C1_3.2 C1_3_1.1 C1_3_1.2 C1_3_2.1 C1_3_2.2 C1_3_3.1 C1_3_3.2 C1_4.1 C1_4.2 C1_4_1.1 C1_4_1.2 C1_4_2.1 C1_4_2.2 C1_4_3.1 C1_4_3.2 C1_5.1 C1_5.2 C1_5_1.1 C1_5_1.2 C1_5_2.1 C1_5_2.2 C1_5_3.1 C1_5_3.2 C1_6.1 C1_6.2 C1_6_1.1 C1_6_1.2 C1_6_2.1 C1_6_2.2 C1_6_3.1 C1_6_3.2 C1_7.1 C1_7.2 C1_7_1.1 C1_7_1.2 C1_7_2.1 C1_7_2.2 C1_7_3.1 C1_7_3.2 C1_8.1 C1_8.2 C1_8_1.1 C1_8_1.2 C1_8_2.1 C1_8_2.2 C1_8_3.1 C1_8_3.2 C1_9.1 C1_9.2 C1_10.1 C1_10.2 C1_11.1 C1_11.2 C2.1 C2.2 C2_1.1 C2_1.2 C2_1_1.1 C2_1_1.2 C2_1_2.1 C2_1_2.2 C2_1_3.1 C2_1_3.2 C2_2.1 C2_2.2 C2_2_1.1 C2_2_1.2 C2_2_2.1 C2_2_2.2 C2_2_3.1 C2_2_3.2 C2_3.1 C2_3.2 C2_3_1.1 C2_3_1.2 C2_3_2.1 C2_3_2.2 C2_3_3.1 C2_3_3.2 C2_4.1 C2_4.2 C2_4_1.1 C2_4_1.2 C2_4_2.1 C2_4_2.2 C2_4_3.1 C2_4_3.2 C2_5.1 C2_5.2 C2_5_1.1 C2_5_1.2 C2_5_2.1 C2_5_2.2 C2_5_3.1 C2_5_3.2 C2_6.1 C2_6.2 C2_6_1.1 C2_6_1.2 C2_6_2.1 C2_6_2.2 C2_6_3.1 C2_6_3.2 C2_7.1 C2_7.2 C2_7_1.1 C2_7_1.2 C2_7_2.1 C2_7_2.2 C2_7_3.1 C2_7_3.2 C2_8.1 C2_8.2 C2_8_1.1 C2_8_1.2 C2_8_2.1 C2_8_2.2 C2_8_3.1 C2_8_3.2 C2_9.1 C2_9.2 C2_10.1 C2_10.2 C2_11.1 C2_11.2 J1.1 J1_1.1 J1_1_1.1 J1_1_2.1 J1_1_3.1 J1_2.1 J1_2_1.1 J1_2_2.1 J1_2_3.1 J1_3.1 J1_3_1.1 J1_3_2.1 J1_3_3.1 J1_4.1 J1_4_1.1 J1_4_2.1 J1_4_3.1 J1_5.1 J1_5_1.1 J1_5_2.1 J1_5_3.1 J1_6.1 J1_6_1.1 J1_6_2.1 J1_6_3.1 J1_7.1 J1_7_1.1 J1_7_2.1 J1_7_3.1 J1_8.1 J1_8_1.1 J1_8_2.1 J1_8_3.1 J1_9.1 J1_10.1 J1_11.1 J2.1 J2.2 J2_1.1 J2_1.2 J2_1_1.1 J2_1_1.2 J2_1_2.1 J2_1_2.2 J2_1_3.1 J2_1_3.2 J2_2.1 J2_2.2 J2_2_1.1 J2_2_1.2 J2_2_2.1 J2_2_2.2 J2_2_3.1 J2_2_3.2 J2_3.1 J2_3.2 J2_3_1.1 J2_3_1.2 J2_3_2.1 J2_3_2.2 J2_3_3.1 J2_3_3.2 J2_4.1 J2_4.2 J2_4_1.1 J2_4_1.2 J2_4_2.1 J2_4_2.2 J2_4_3.1 J2_4_3.2 J2_5.1 J2_5.2 J2_5_1.1 J2_5_1.2 J2_5_2.1 J2_5_2.2 J2_5_3.1 J2_5_3.2 J2_6.1 J2_6.2 J2_6_1.1 J2_6_1.2 J2_6_2.1 J2_6_2.2 J2_6_3.1 J2_6_3.2 J2_7.1 J2_7.2 J2_7_1.1 J2_7_1.2 J2_7_2.1 J2_7_2.2 J2_7_3.1 J2_7_3.2 J2_8.1 J2_8.2 J2_8_1.1 J2_8_1.2 J2_8_2.1 J2_8_2.2 J2_8_3.1 J2_8_3.2 J2_9.1 J2_9.2 J2_10.1 J2_10.2 J2_11.1 J2_11.2 L1.1 L1.2 L1_1.1 L1_1.2 L1_1_1.1 L1_1_1.2 L1_1_2.1 L1_1_2.2 L1_1_3.1 L1_1_3.2 L1_2.1 L1_2.2 L1_2_1.1 L1_2_1.2 L1_2_2.1 L1_2_2.2 L1_2_3.1 L1_2_3.2 L1_3.1 L1_3.2 L1_3_1.1 L1_3_1.2 L1_3_2.1 L1_3_2.2 L1_3_3.1 L1_3_3.2 L1_4.1 L1_4.2 L1_4_1.1 L1_4_1.2 L1_4_2.1 L1_4_2.2 L1_4_3.1 L1_4_3.2 L1_5.1 L1_5.2 L1_5_1.1 L1_5_1.2 L1_5_2.1 L1_5_2.2 L1_5_3.1 L1_5_3.2 L1_6.1 L1_6.2 L1_6_1.1 L1_6_1.2 L1_6_2.1 L1_6_2.2 L1_6_3.1 L1_6_3.2 L1_7.1 L1_7.2 L1_7_1.1 L1_7_1.2 L1_7_2.1 L1_7_2.2 L1_7_3.1 L1_7_3.2 L1_8.1 L1_8.2 L1_8_1.1 L1_8_1.2 L1_8_2.1 L1_8_2.2 L1_8_3.1 L1_8_3.2 L1_9.1 L1_9.2 L1_10.1 L1_10.2 L1_11.1 L1_11.2